# KiCad board ZakladniElektronika.kicad_pcb (continued)
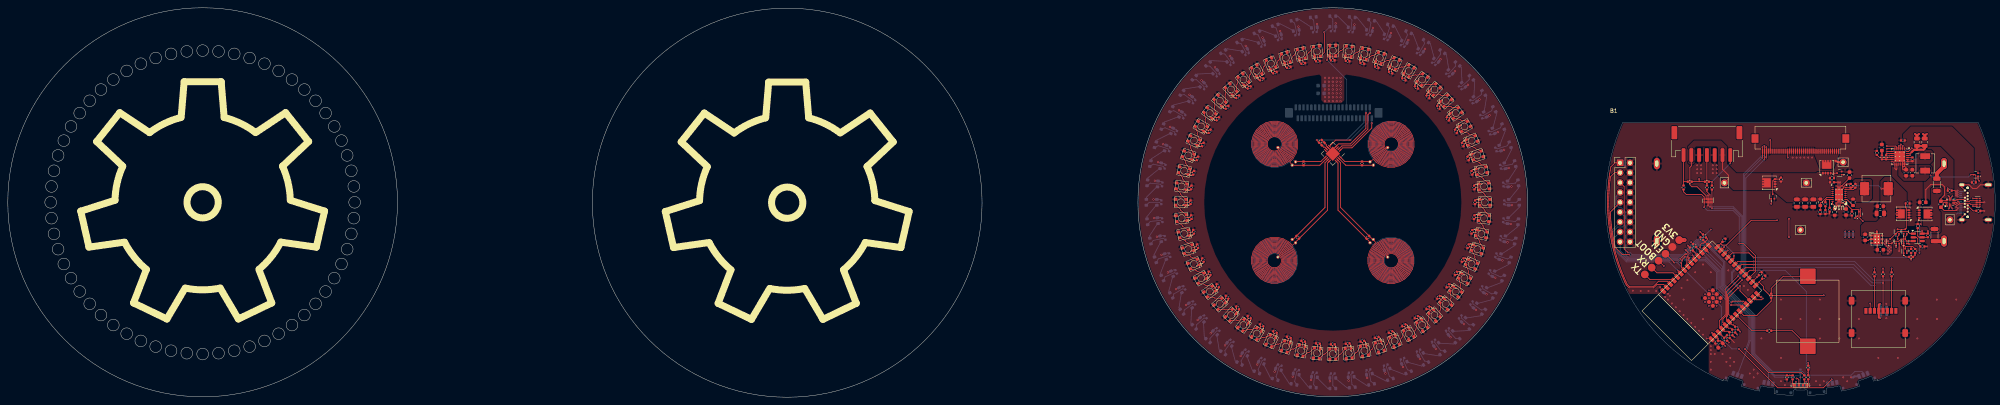
[diagram p0: board, top side]
## Library data of the parts
BZ1 = -: LCSC: C201041; ki_fp_filters: *Buzzer*
C1 C2 C134 C152 = -: Basic/Extended: B; LCSC: C96446; info: 25V, X5R; ki_fp_filters: C_*
C3 C132 C133 C149 = -: Basic/Extended: E; JLCPCB_CORRECTION: 0;0;0; LCSC: C1518208; info: 50V, X5R (potenciálně C52923 což je 25V, X5R ); ki_fp_filters: C_*
C4 C12-C131 C135 C148 = -: Basic/Extended: B; LCSC: C307331; info: 50V, X7R; ki_fp_filters: C_*
C5 = -: LCSC: C52923; JLCPCB_CORRECTION: 0;0;0; Basic/Extended: B; info: 25V, X5R; Price (100ks): 0.0029; Price (1ks): 0.0029; ki_fp_filters: C_*
C6 = -: LCSC: C82219; Basic/Extended: E; info: 50V, X7R; Price (100ks): 0.0019; Price (1ks): 0.0019; ki_fp_filters: C_*
C7 = -: LCSC: C19666; Basic/Extended: B; info: 16V, X5R; Price (100ks): 0.0088; Price (1ks): 0.0088; ki_fp_filters: C_*
C8-C11 = -: Basic/Extended: B; LCSC: C1523; info: 50V, X7R; ki_fp_filters: C_*
C136 C137 = -: LCSC: C96446; JLCPCB_CORRECTION: 0;0;0; ki_fp_filters: C_*
C142 C154 = -: LCSC: C45783; info: 25V, X5R; Basic/Extended: B; ki_fp_filters: C_*
C143 = -: LCSC: C96446; Basic/Extended: B; info: 25V, X5R; ki_fp_filters: C_*
C144 = -: Basic/Extended: B; LCSC: C1525; info: 16V, X7R; Price (100ks): 0.0011; Price (1ks): 0.0011; ki_fp_filters: C_*
C145 C155 = -: Basic/Extended: B; LCSC: C19666; info: 16V, X5R; ki_fp_filters: C_*
C146 = -: LCSC: C307331; info: 50V, X7R; Basic/Extended: B; ki_fp_filters: C_*
C147 C151 = -: LCSC: C45783; Basic/Extended: B; info: 25V, X5R; Price (100ks): 0.0215; Price (1ks): 0.0215; ki_fp_filters: C_*
C150 = -: Basic/Extended: B; LCSC: C1622; info: 50V, X7R; ki_fp_filters: C_*
C153 C156 = -: Basic/Extended: B; LCSC: C45783; info: 25V, X5R; ki_fp_filters: C_*
C157 = -: Basic/Extended: B; LCSC: C15195; ki_fp_filters: C_*
C158 = -: LCSC: C1546; Basic/Extended: B; info: 50V, C0G; ki_fp_filters: C_*
C159-C161 = -: Basic/Extended: B; LCSC: C96446; info: 25V, X5R; Price (100ks): 0.0159; Price (1ks): 0.0159; ki_fp_filters: C_*
C162 = -: LCSC: C96446; Basic/Extended: B; info: 25V, X5R; Price (100ks): 0.0159; Price (1ks): 0.0159; ki_fp_filters: C_*
D1-D120 = -: Datasheet: https://cdn-shop.adafruit.com/datasheets/WS2812B.pdf; Basic/Extended: E; LCSC: C2890364; ki_fp_filters: LED*WS2812*PLCC*5.0x5.0mm*P3.2mm*
D122 = -: Basic/Extended: E; LCSC: C896182
D125 = -: Description: RGB LED, anode/red/green/blue; LCSC: C2843779; ki_fp_filters: LED* LED_SMD:* LED_THT:*
F1 F2 = -: Datasheet: https://datasheet.lcsc.com/lcsc/2305121423_BHFUSE-BSMD1206-300-6V_C883136.pdf; LCSC: C883136; Basic/Extended: E; info: 3A hold, 6A trip, 100A max, 6V, 4s, 0,05 Ohm max; ki_fp_filters: *polyfuse* *PTC*
J1 = -: Description: Generic connector, double row, 02x09, odd/even pin numbering scheme (row 1 odd numbers, row 2 even numbers), script generated (kicad-library-utils/schlib/autogen/connector/); ki_fp_filters: Connector*:*_2x??_*
J2 = -: Datasheet: https://www.usb.org/sites/default/files/documents/usb_type-c.zip; Basic/Extended: E; JLCPCB_CORRECTION: 0;-3.5;0; LCSC: C480368; ki_fp_filters: USB*C*Receptacle*
J4 = -: LCSC: C265453; info: další info viz: https://www.tme.eu/html/CZ/konektor-kabel-pl-spoj-jst/ramka_15955_CZ_pelny.html; Basic/Extended: E; ki_fp_filters: Connector*:*_1x??_*
J5 = -: Datasheet: http://katalog.we-online.de/em/datasheet/693072010801.pdf; LCSC: C91145; JLCPCB_CORRECTION: 0;-2;0; ki_fp_filters: microSD*
J7 = -: JLCPCB_IGNORE: ignore
J10 = -: Datasheet: https://datasheet.lcsc.com/lcsc/2212161930_JUSHUO-AFC11-S40ICC-00_C262313.pdf; Basic/Extended: E; JLCPCB_CORRECTION: 0;0;90; LCSC: C262313; ki_fp_filters: Connector*:*_1x??_*
J11 = -: Datasheet: https://datasheet.lcsc.com/lcsc/2109221430_XUNPU-FPC-05F-40PH20_C2856812.pdf; Basic/Extended: E; LCSC: C2856812; ki_fp_filters: Connector*:*_1x??_*
L1-L4 = -: JLCPCB_IGNORE: ignore; ki_fp_filters: Choke_* *Coil* Inductor_* L_*
L5 = -: LCSC: C2453293; Basic/Extended: E; ki_fp_filters: Choke_* *Coil* Inductor_* L_*
L6 = -: LCSC: C167200; Basic/Extended: E; Price (100ks): 0.0996; Price (1ks): 0.1133; ki_fp_filters: Choke_* *Coil* Inductor_* L_*
Q1 Q2 Q5 Q28 = -: Datasheet: https://wmsc.lcsc.com/wmsc/upload/file/pdf/v2/lcsc/2004141706_Jiangsu-Changjing-Electronics-Technology-Co---Ltd--2SK3541_C504051.pdf; Sim.Type: VDMOS; Sim.Pins: 1=D 2=G 3=S; LCSC: C2912553; Basic/Extended: E; JLCPCB_CORRECTION: 0;0;180; Price (100ks): 0.0260; Price (1ks): 0.0260
Q4 Q6-Q9 = -: Datasheet: https://wmsc.lcsc.com/wmsc/upload/file/pdf/v2/lcsc/2004141706_Jiangsu-Changjing-Electronics-Technology-Co---Ltd--2SK3541_C504051.pdf; Sim.Type: VDMOS; Sim.Pins: 1=D 2=G 3=S; LCSC: C2912553; Basic/Extended: E; JLCPCB_CORRECTION: 0;0;180; Price (100ks): 0.0261; Price (1ks): 0.0261
R1 R6-R10 R32 = -: Basic/Extended: B; JLCPCB_CORRECTION: 0;0;0; LCSC: C25744; ki_fp_filters: R_*
R2 R51 R79 = -: Basic/Extended: B; LCSC: C25744; Price (100ks): 0.0005; Price (1ks): 0.0005; ki_fp_filters: R_*
R3 R4 = -: Basic/Extended: B; LCSC: C25905; ki_fp_filters: R_*
R5 R28 = -: Basic/Extended: B; LCSC: C11702; ki_fp_filters: R_*
R11 = -: LCSC: C11702; Basic/Extended: B; ki_fp_filters: R_*
R12 R13 R16 R17 = -: LCSC: C25744; JLCPCB_CORRECTION: 0;0;0; Basic/Extended: B; ki_fp_filters: R_*
R14 R15 = -: LCSC: C25104; ki_fp_filters: R_*
R19 = -: LCSC: C2909321; ki_fp_filters: R_*
R20 = -: Basic/Extended: E; LCSC: C25796; Price (100ks): 0.0005; Price (1ks): 0.0005; ki_fp_filters: R_*
R21 R40 = -: Basic/Extended: B; LCSC: C25741; Price (100ks): 0.0005; Price (1ks): 0.0005; ki_fp_filters: R_*
R26 = -: Basic/Extended: B; LCSC: C25117; Price (100ks): 0.0005; Price (1ks): 0.0005; ki_fp_filters: R_*
R29 R30 R49 = -: LCSC: C25087; Basic/Extended: B; ki_fp_filters: R_*
R34 = -: LCSC: C4109; Basic/Extended: B; Price (100ks): 0.0005; Price (1ks): 0.0005; ki_fp_filters: R_*
R35 R36 R41 = -: LCSC: C25744; JLCPCB_CORRECTION: 0;0;0; ki_fp_filters: R_*
R37-R39 = -: Basic/Extended: B; LCSC: C25900; ki_fp_filters: R_*
R45 R48 = -: LCSC: C25900; Basic/Extended: B; ki_fp_filters: R_*
R47 = -: Basic/Extended: B; LCSC: C25764; ki_fp_filters: R_*
R50 = -: LCSC: C208810; Basic/Extended: E; Price (100ks): 0.0020; Price (1ks): 0.0020; ki_fp_filters: R_*
R52 = -: LCSC: C25087; Basic/Extended: B; Price (100ks): 0.0005; Price (1ks): 0.0005; ki_fp_filters: R_*
R53 = -: Basic/Extended: B; LCSC: C25764; Price (100ks): 0.0005; Price (1ks): 0.0005; ki_fp_filters: R_*
R54 R55 = -: LCSC: C22807; Basic/Extended: B; ki_fp_filters: R_*
R56 = -: LCSC: C843949; Basic/Extended: E; ki_fp_filters: R_*
R57 = -: LCSC: C23206; Basic/Extended: B; ki_fp_filters: R_*
R58 = -: LCSC: C226818; Basic/Extended: E; ki_fp_filters: R_*
SW1-SW5 = -: Basic/Extended: E; LCSC: C495937
TP1 TP8-TP11 = -: JLCPCB_IGNORE: ignore; ki_fp_filters: Pin* Test*
U1 = -: Datasheet: http://www.ti.com/lit/ds/symlink/ldc1312.pdf; Basic/Extended: E; LCSC: C968448
U2 = -: Datasheet: https://wmsc.lcsc.com/wmsc/upload/file/pdf/v2/lcsc/1810181816_BL-Shanghai-Belling-BL1530TQFN_C313543.pdf; LCSC: C313543; Price (100ks): 0.1148; Price (1ks): 0.1445; Basic/Extended: E; JLCPCB_CORRECTION: 0;0;-90
U3 = -: Datasheet: https://wmsc.lcsc.com/wmsc/upload/file/pdf/v2/lcsc/2001181534_Texas-Instruments-BQ25895MRTWR_C485917.pdf; LCSC: C80200; Price (100ks): 0.8670; Price (1ks): 1.7400; Basic/Extended: E; ki_fp_filters: Texas*RTW*EP2.7x2.7mm*
U5 U13 = -: Datasheet: http://www.ti.com/lit/ds/symlink/tpd4e02b04.pdf; Basic/Extended: E; JLCPCB_CORRECTION: 0;0;-90; LCSC: C106794
U7-U9 U15 = -: Datasheet: https://jlcpcb.com/api/file/downloadByFileSystemAccessId/8588900305022406656; LCSC: C148391
U10 = -: Datasheet: https://datasheet.lcsc.com/szlcsc/ON-Semicon-ON-NCP708MU330TAG_C183178.pdf; Basic/Extended: E; JLCPCB_CORRECTION: 0;0;180; LCSC: C183178
U11 = -: Datasheet: https://www.espressif.com/sites/default/files/documentation/esp32-s3-wroom-1_wroom-1u_datasheet_en.pdf; Basic/Extended: E; JLCPCB_CORRECTION: 0;8.89;0; LCSC: C2913202; info: ESP32-S3-WROOM-1-N16R8
U12 = -: Datasheet: https://wmsc.lcsc.com/wmsc/upload/file/pdf/v2/lcsc/2210101800_Slkor-SLKORMICRO-Elec--SL8261D-G3JE_C5186027.pdf; LCSC: C5186027; JLCPCB_CORRECTION: 0;0;180; Basic/Extended: E; Price (100ks): 0.0011; Price (1ks): 0.0011
U14 = -: Datasheet: https://wmsc.lcsc.com/wmsc/upload/file/pdf/v2/lcsc/2306250925_MYOUNG-BH-18650-B1BA007_C6937126.pdf; LCSC: C6937126
U16 = -: Datasheet: https://www.ti.com/lit/ds/symlink/tps61088.pdf?ts=1690626232362&ref_url=https%253A%252F%252Fwww.ti.com%252Fpower-management%252Fnon-isolated-dc-dc-switching-regulators%252Fstep-up-boost%252Fboost-converters-integrated-switch%252Fproducts.html; LCSC: C87357; Basic/Extended: E; JLCPCB_CORRECTION: 0;0;-90; ki_fp_filters: RHL0020A

## Footprints (pads in the part's own frame, mm; a bottom-side part is the same pattern mirrored in y, then rotated)
3528RGBW-WS2812B
  rrect 0.9x0.75 smd: 1(1.35,-0.75) 2(1.35,0.75) 3(-1.35,0.75) 4(-1.35,-0.75)
3528RGBW-WS2812B#2
  rrect 0.9x0.75 smd: 1(1.35,-0.75) 2(1.35,0.75) 3(-1.35,0.75) 4(-1.35,-0.75)
3528RGBW-WS2812B#3
  rrect 0.9x0.75 smd: 1(1.35,-0.75) 2(1.35,0.75) 3(-1.35,0.75) 4(-1.35,-0.75)
3528RGBW-WS2812B#4
  rrect 0.9x0.75 smd: 1(1.35,-0.75) 2(1.35,0.75) 3(-1.35,0.75) 4(-1.35,-0.75)
3528RGBW-WS2812B#5
  rrect 0.9x0.75 smd: 1(1.35,-0.75) 2(1.35,0.75) 3(-1.35,0.75) 4(-1.35,-0.75)
AFC11-S40ICC-00
  rect 2.4x2 smd: 0(0,-11.75) 0(0,11.25)
  rect 1.5x0.6 smd: 1(-1.4,9.5) 2(1.4,9) 3(-1.4,8.5) 4(1.4,8) 5(-1.4,7.5) 6(1.4,7) 7(-1.4,6.5) 8(1.4,6) 9(-1.4,5.5) 10(1.4,5) 11(-1.4,4.5) 12(1.4,4) 13(-1.4,3.5) 14(1.4,3) 15(-1.4,2.5) 16(1.4,2) 17(-1.4,1.5) 18(1.4,1) 19(-1.4,0.5) 20(1.4,0) 21(-1.4,-0.5) 22(1.4,-1) 23(-1.4,-1.5) 24(1.4,-2) 25(-1.4,-2.5) 26(1.4,-3) 27(-1.4,-3.5) 28(1.4,-4) 29(-1.4,-4.5) 30(1.4,-5) 31(-1.4,-5.5) 32(1.4,-6) 33(-1.4,-6.5) 34(1.4,-7) 35(-1.4,-7.5) 36(1.4,-8) 37(-1.4,-8.5) 38(1.4,-9) 39(-1.4,-9.5) 40(1.4,-10)
battery_dock
  oval 1.524x2.9 hole 0.762x1.6: 1(36.85,9.95) 2(-36.85,9.95) 3(36.85,-9.95) 4(-36.85,-9.95)
C_0402_1005Metric
  rrect 0.56x0.62 smd: 1(-0.48,0) 2(0.48,0)
C_0603_1608Metric
  rrect 0.9x0.95 smd: 1(-0.775,0) 2(0.775,0)
C_0805_2012Metric
  rrect 1x1.45 smd: 1(-0.95,0) 2(0.95,0)
Diodes_PowerDI3333-8
  rrect 0.6x1 smd: (0.02,0.565) (0.02,-0.565) (0.73,0.565) (0.73,-0.565)
  rrect 0.7x0.42 smd: (1.5,0.975) (1.5,0.325) (1.5,-0.325) (1.5,-0.975) 1(-1.5,0.975) 2(-1.5,0.325) 3(-1.5,-0.325) 4(-1.5,-0.975)
  custom 2.25x2.37 smd: 5(0.455,0)
ELKS-PIEZO
  rrect 4x4 smd: 1(9,0) 2(-9,0)
ESP32-S3-WROOM
  rrect 1.5x0.9 smd: 1(-8.75,0) 2(-8.75,-1.27) 3(-8.75,-2.54) 4(-8.75,-3.81) 5(-8.75,-5.08) 6(-8.75,-6.35) 7(-8.75,-7.62) 8(-8.75,-8.89) 9(-8.75,-10.16) 10(-8.75,-11.43) 11(-8.75,-12.7) 12(-8.75,-13.97) 13(-8.75,-15.24) 14(-8.75,-16.51) 27(8.75,-16.51) 28(8.75,-15.24) 29(8.75,-13.97) 30(8.75,-12.7) 31(8.75,-11.43) 32(8.75,-10.16) 33(8.75,-8.89) 34(8.75,-7.62) 35(8.75,-6.35) 36(8.75,-5.08) 37(8.75,-3.81) 38(8.75,-2.54) 39(8.75,-1.27) 40(8.75,0)
  rrect 0.9x1.5 smd: 15(-6.985,-17.74) 16(-5.715,-17.74) 17(-4.445,-17.78) 18(-3.175,-17.78) 19(-1.905,-17.78) 20(-0.635,-17.78) 21(0.635,-17.78) 22(1.905,-17.78) 23(3.175,-17.78) 24(4.445,-17.78) 25(5.715,-17.78) 26(6.985,-17.78)
  rrect 0.9x0.9 smd: 41(-2.9,-6.3) 41(-2.9,-7.7) 41(-2.9,-9.1) 41(-1.5,-6.3) 41(-1.5,-7.7) 41(-1.5,-9.1) 41(-0.1,-6.3) 41(-0.1,-7.7) 41(-0.1,-9.1)
ESP-Programing_conector
  round 2 smd: 1(0,0) 2(2.5,0) 3(5,0) 4(7.5,0) 5(10,0) 6(12.5,0)
Hirose_FH12-40S-0.5SH_1x40-1MP_P0.50mm_Horizontal
  rect 0.3x1.3 smd: 1(-9.75,1.85) 2(-9.25,1.85) 3(-8.75,1.85) 4(-8.25,1.85) 5(-7.75,1.85) 6(-7.25,1.85) 7(-6.75,1.85) 8(-6.25,1.85) 9(-5.75,1.85) 10(-5.25,1.85) 11(-4.75,1.85) 12(-4.25,1.85) 13(-3.75,1.85) 14(-3.25,1.85) 15(-2.75,1.85) 16(-2.25,1.85) 17(-1.75,1.85) 18(-1.25,1.85) 19(-0.75,1.85) 20(-0.25,1.85) 21(0.25,1.85) 22(0.75,1.85) 23(1.25,1.85) 24(1.75,1.85) 25(2.25,1.85) 26(2.75,1.85) 27(3.25,1.85) 28(3.75,1.85) 29(4.25,1.85) 30(4.75,1.85) 31(5.25,1.85) 32(5.75,1.85) 33(6.25,1.85) 34(6.75,1.85) 35(7.25,1.85) 36(7.75,1.85) 37(8.25,1.85) 38(8.75,1.85) 39(9.25,1.85) 40(9.75,1.85)
  rect 1.8x2.2 smd: MP(-11.65,-1.4) MP(11.65,-1.4)
JST_PH_S7B-PH-SM4-TB_1x07-1MP_P2.00mm_Horizontal
  rrect 1x3.5 smd: 1(-6,2.85) 2(-4,2.85) 3(-2,2.85) 4(0,2.85) 5(2,2.85) 6(4,2.85) 7(6,2.85)
  rrect 1.5x3.4 smd: MP(-8.35,-2.9) MP(8.35,-2.9)
L_1206_3216Metric
  rrect 1.05x1.9 smd: 1(-1.575,0) 2(1.575,0)
L_Abracon_ASPI-0630LR
  rrect 2.35x3.4 smd: 1(-3.025,0) 2(3.025,0)
L_Sunlord_MWSA0402S
  rect 1.5x2.5 smd: 1(-1.85,0) 2(1.85,0)
microSD_HC_Molex_47219-2001
  rect 0.8x1.5 smd: 1(-3.205,2.1) 2(-2.105,2.1) 3(-1.005,2.1) 4(0.095,2.1) 5(1.195,2.1) 6(2.295,2.1) 7(3.395,2.1) 8(4.495,2.1)
  rrect 1.45x2 smd: 9(-6.875,4.7) 9(-6.875,-3.6) 9(6.875,4.7) 9(6.875,-3.6)
PCB_coil
  round 0.8 hole 0.4: 1(-7.1,0.6) 2(-7.1,-0.6) -1(-1.3,0)
Pin_D0.9mm_L10.0mm_W2.4mm_FlatFork
  round 1.8 hole 0.9: 1(0,0)
PinHeader_2x09_P2.54mm_Vertical
  rect 1.7x1.7 hole 1: 1(0,0)
  round 1.7 hole 1: 2(2.54,0) 3(0,-2.54) 4(2.54,-2.54) 5(0,-5.08) 6(2.54,-5.08) 7(0,-7.62) 8(2.54,-7.62) 9(0,-10.16) 10(2.54,-10.16) 11(0,-12.7) 12(2.54,-12.7) 13(0,-15.24) 14(2.54,-15.24) 15(0,-17.78) 16(2.54,-17.78) 17(0,-20.32) 18(2.54,-20.32)
R_0402_1005Metric
  rrect 0.54x0.64 smd: 1(-0.51,0) 2(0.51,0)
R_0603_1608Metric
  rrect 0.8x0.95 smd: 1(-0.825,0) 2(0.825,0)
RHL0020A
  round 0.5 hole 0.203: 0(-0.775,1.275) 0(-0.775,0) 0(-0.775,-1.275) 0(0,1.275) 0(0,0) 0(0,-1.275) 0(0.775,1.275) 0(0.775,0) 0(0.775,-1.275)
  rrect 0.23x0.75 smd: 0(-0.275,1.875) 0(-0.275,-1.875) 0(0.275,1.875) 0(0.275,-1.875)
  rect 0.32x0.5 smd: 0(0,1.675) 0(0,-1.675)
  rrect 2.05x3.05 smd: 0(0,0)
  oval 0.24x0.6 smd: 1(-0.75,2.15) 10(-0.75,-2.15) 11(0.75,-2.15) 20(0.75,2.15)
  oval 0.6x0.24 smd: 2(-1.65,1.75) 3(-1.65,1.25) 4(-1.65,0.75) 5(-1.65,0.25) 6(-1.65,-0.25) 7(-1.65,-0.75) 8(-1.65,-1.25) 9(-1.65,-1.75) 12(1.65,-1.75) 13(1.65,-1.25) 14(1.65,-0.75) 15(1.65,-0.25) 16(1.65,0.25) 17(1.65,0.75) 18(1.65,1.25) 19(1.65,1.75)
  rect 0.3x0.3 smd: 21(0,0)
SOT-23-6
  rrect 1.325x0.6 smd: 1(-1.137,0.95) 2(-1.137,0) 3(-1.137,-0.95) 4(1.137,-0.95) 5(1.137,0) 6(1.137,0.95)
SOT-723
  rrect 0.45x0.4 smd: 1(-0.575,0.4) 2(-0.575,-0.4) 3(0.575,0)
TCF2QR
  rrect 0.65x0.7 smd: 0(-2.475,0.65) 0(2.475,0.65)
  rrect 0.8x1.25 smd: 1(-1.15,2.4) 1(1.15,2.4) 2(0,2.4)
Texas_RTW_WQFN-24-1EP_4x4mm_P0.5mm_EP2.7x2.7mm_ThermalVias
  rrect 1.13x1.13 smd: (-0.675,0.675) (-0.675,-0.675) (0.675,0.675) (0.675,-0.675)
  rrect 0.825x0.25 smd: 1(-1.962,1.25) 2(-1.962,0.75) 3(-1.962,0.25) 4(-1.962,-0.25) 5(-1.962,-0.75) 6(-1.962,-1.25) 13(1.962,-1.25) 14(1.962,-0.75) 15(1.962,-0.25) 16(1.962,0.25) 17(1.962,0.75) 18(1.962,1.25)
  rrect 0.25x0.825 smd: 7(-1.25,-1.962) 8(-0.75,-1.962) 9(-0.25,-1.962) 10(0.25,-1.962) 11(0.75,-1.962) 12(1.25,-1.962) 19(1.25,1.962) 20(0.75,1.962) 21(0.25,1.962) 22(-0.25,1.962) 23(-0.75,1.962) 24(-1.25,1.962)
  round 0.5 hole 0.2: 25(-1.1,1.1) 25(-1.1,0) 25(-1.1,-1.1) 25(0,1.1) 25(0,0) 25(0,-1.1) 25(1.1,1.1) 25(1.1,0) 25(1.1,-1.1)
  rect 2.7x2.7 smd: 25(0,0)
  rect 2.7x2.7 smd far side: 25(0,0)
UDFN6-3x3mm
  rect 0.45x0.6 smd: 1(0.95,1.35) 2(0,1.35) 3(-0.95,1.35) 4(-0.95,-1.35) 5(0,-1.35) 6(0.95,-1.35)
  round 0.6 hole 0.3: 7(-0.8,0.4) 7(-0.8,-0.4) 7(0,0.4) 7(0,-0.4) 7(0.8,0.4) 7(0.8,-0.4)
  rect 2.6x1.78 smd: 7(0,0)
UQFN-10_1.4x1.8mm_P0.4mm
  rrect 0.975x0.2 smd: 1(-0.562,0.2)
  rrect 0.775x0.2 smd: 2(-0.662,-0.2) 6(0.662,-0.2) 7(0.662,0.2)
  rrect 0.2x0.775 smd: 3(-0.4,-0.863) 4(0,-0.863) 5(0.4,-0.863) 8(0.4,0.863) 9(0,0.863) 10(-0.4,0.863)
USB31-TYPEC-33141-2FS
  round 0.65 hole 0.65 unplated: (-3.725,-1.81) (3.725,-1.81)
  rect 0.3x0.7 smd: A1(-2.75,0) A2(-2.25,0) A3(-1.75,0) A4(-1.25,0) A5(-0.75,0) A6(-0.25,0) A7(0.25,0) A8(0.75,0) A9(1.25,0) A10(1.75,0) A11(2.25,0) A12(2.75,0)
  round 0.65 hole 0.4: B1(3.05,-1.11) B2(2.4,-1.81) B3(1.6,-1.81) B4(1.2,-1.11) B5(0.8,-1.81) B6(0.4,-1.11) B7(-0.4,-1.11) B8(-0.8,-1.81) B9(-1.2,-1.11) B10(-1.6,-1.81) B11(-2.4,-1.81) B12(-3.05,-1.11)
  oval 1x2 hole 0.6x1.5: S1(-4.5,-7.11) S1(4.5,-7.11)
  oval 1x1.6 hole 0.6x1.2: S1(-4.5,-0.31) S1(4.5,-0.31)
USON-10_2.5x1.0mm_P0.5mm
  rect 0.55x0.3 smd: 1(-0.385,1) 2(-0.385,0.5) 4(-0.385,-0.5) 5(-0.385,-1) 6(0.385,-1) 7(0.385,-0.5) 9(0.385,0.5) 10(0.385,1)
  rect 0.55x0.4 smd: 3(-0.385,0) 8(0.385,0)
WQFN-16-1EP_4x4mm_P0.5mm_EP2.6x2.6mm
  rrect 1.05x1.05 smd: (-0.65,0.65) (-0.65,-0.65) (0.65,0.65) (0.65,-0.65)
  rrect 0.875x0.25 smd: 1(-1.937,0.75) 2(-1.938,0.25) 3(-1.938,-0.25) 4(-1.937,-0.75) 9(1.937,-0.75) 10(1.938,-0.25) 11(1.938,0.25) 12(1.937,0.75)
  rrect 0.25x0.875 smd: 5(-0.75,-1.937) 6(-0.25,-1.938) 7(0.25,-1.938) 8(0.75,-1.937) 13(0.75,1.937) 14(0.25,1.938) 15(-0.25,1.938) 16(-0.75,1.937)
  rect 2.6x2.6 smd: 17(0,0)
XL-3806RGBC-4L
  rrect 0.6x0.7 smd: 1(-0.387,0)
  rrect 0.9x0.7 smd: 2(-1.607,0) 4(1.703,0)
  rrect 0.5x0.7 smd: 3(0.623,0)

## Nets
/HlavniDeska/3V3: C134.2 C135.2 C136.1 C137.1 C152.1 D125.1 J5.4 J7.1 J11.36 R9.1 R10.1 R16.1 R17.1 R35.1 R36.1 R37.1 R38.1 R39.1 R41.1 R45.2 R48.2 R50.2 R51.1 U10.4 U10.5 U11.2
/HlavniDeska/5V-OUT: J11.1 J11.2 J11.3 J11.4 J11.5 J11.6 J11.7 J11.8 J11.9 J11.10 J11.11 J11.12 J11.13 TP10.1 U15.5
/HlavniDeska/ModulovyKonektor/5V: J4.2 J4.6 TP11.1 U5.4 U9.5
/HlavniDeska/SpravceNapajeni/5V-IN: C149.1 C153.1 C154.1 C156.1 R1.1 R32.1 R57.1 TP9.1 U9.1 U9.2 U9.3 U15.1 U15.2 U15.3 U16.14 U16.15 U16.16
/HlavniDeska/SpravceNapajeni/Power multiplier/VCC: C142.1 C143.1 C145.1 C146.1 L5.1 U8.5 U10.1 U10.6 U16.9
/LedDeska/3V3: C3.1 C4.1 J10.36 U1.7
/LedDeska/5V: C1.1 C2.1 C12.1 C13.1 C14.1 C15.1 C16.1 C17.1 C18.1 C19.1 C20.1 C21.1 C22.1 C23.1 C24.1 C25.1 C26.1 C27.1 C28.1 C29.1 C30.1 C31.1 C32.1 C33.1 C34.1 C35.1 C36.1 C37.1 C38.1 C39.1 C40.1 C41.1 C42.1 C43.1 C44.1 C45.1 C46.1 C47.1 C48.1 C49.1 C50.1 C51.1 C52.1 C53.1 C54.1 C55.1 C56.1 C57.1 C58.1 C59.1 C60.1 C61.1 C62.1 C63.1 C64.1 C65.1 C66.1 C67.1 C68.1 C69.1 C70.1 C71.1 C72.1 C73.1 C74.1 C75.1 C76.1 C77.1 C78.1 C79.1 C80.1 C81.1 C82.1 C83.1 C84.1 C85.1 C86.1 C87.1 C88.1 C89.1 C90.1 C91.1 C92.1 C93.1 C94.1 C95.1 C96.1 C97.1 C98.1 C99.1 C100.1 C101.1 C102.1 C103.1 C104.1 C105.1 C106.1 C107.1 C108.1 C109.1 C110.1 C111.1 C112.1 C113.1 C114.1 C115.1 C116.1 C117.1 C118.1 C119.1 C120.1 C121.1 C122.1 C123.1 C124.1 C125.1 C126.1 C127.1 C128.1 C129.1 C130.1 C131.1 D1.1 D2.1 D3.1 D4.1 D5.1 D6.1 D7.1 D8.1 D9.1 D10.1 D11.1 D12.1 D13.1 D14.1 D15.1 D16.1 D17.1 D18.1 D19.1 D20.1 D21.1 D22.1 D23.1 D24.1 D25.1 D26.1 D27.1 D28.1 D29.1 D30.1 D31.1 D32.1 D33.1 D34.1 D35.1 D36.1 D37.1 D38.1 D39.1 D40.1 D41.1 D42.1 D43.1 D44.1 D45.1 D46.1 D47.1 D48.1 D49.1 D50.1 D51.1 D52.1 D53.1 D54.1 D55.1 D56.1 D57.1 D58.1 D59.1 D60.1 D61.1 D62.1 D63.1 D64.1 D65.1 D66.1 D67.1 D68.1 D69.1 D70.1 D71.1 D72.1 D73.1 D74.1 D75.1 D76.1 D77.1 D78.1 D79.1 D80.1 D81.1 D82.1 D83.1 D84.1 D85.1 D86.1 D87.1 D88.1 D89.1 D90.1 D91.1 D92.1 D93.1 D94.1 D95.1 D96.1 D97.1 D98.1 D99.1 D100.1 D101.1 D102.1 D103.1 D104.1 D105.1 D106.1 D107.1 D108.1 D109.1 D110.1 D111.1 D112.1 D113.1 D114.1 D115.1 D116.1 D117.1 D118.1 D119.1 D120.1 J10.1 J10.2 J10.3 J10.4 J10.5 J10.6 J10.7 J10.8 J10.9 J10.10 J10.11 J10.12 J10.13
GND: C5.2 C7.2 C132.2 C133.2 C134.1 C135.1 C136.2 C137.2 C142.2 C143.2 C144.2 C145.2 C146.2 C147.2 C149.2 C150.2 C151.2 C152.2 C153.2 C154.2 C155.2 C156.2 C157.2 C158.2 C159.2 C160.2 C161.2 C162.2 J1.2 J1.4 J1.6 J1.8 J1.10 J1.12 J1.14 J1.16 J1.18 J2.A1 J2.A12 J2.B1 J2.B12 J2.S1 J4.3 J4.5 J5.6 J5.9 J7.2 J11.14 J11.15 J11.16 J11.17 J11.18 J11.19 J11.20 J11.21 J11.22 J11.23 J11.24 J11.25 J11.26 J11.37 Q1.2 Q2.2 Q7.2 Q8.2 Q9.2 Q28.2 R3.2 R4.2 R6.2 R7.2 R8.2 R12.2 R19.2 R21.1 R34.1 R47.1 R55.2 R58.1 R79.2 SW1.1 SW2.1 SW4.1 SW5.1 U2.4 U2.8 U3.8 U3.17 U3.18 U3.25 U5.3 U5.8 U7.4 U10.2 U10.7 U11.1 U11.40 U11.41 U12.6 U13.3 U13.8 U14.2 U14.4 U16.0 U16.20 U16.21
/HlavniDeska/ESP32S3/BOOT: C132.1 J7.4 R9.2 SW4.2 U11.27
/HlavniDeska/ESP32S3/EN: C133.1 J7.3 R10.2 SW5.2 U11.3
/HlavniDeska/ESP32S3/IO01: J1.1 U11.39
/HlavniDeska/ESP32S3/IO02: J1.3 U11.38
/HlavniDeska/ESP32S3/IO03-PD: J5.2 R8.1 U11.15
/HlavniDeska/ESP32S3/IO07: R29.2 U5.1 U5.10 U11.7
/HlavniDeska/ESP32S3/IO08: R30.2 U5.2 U5.9 U11.12
/HlavniDeska/ESP32S3/IO09: R49.2 U5.5 U5.6 U11.17
/HlavniDeska/ESP32S3/IO10: R13.2 R28.2 U11.18
/HlavniDeska/ESP32S3/IO11: J5.3 R41.2 U11.19
/HlavniDeska/ESP32S3/IO12: J5.5 R36.2 U11.20
/HlavniDeska/ESP32S3/IO13: J5.7 R35.2 U11.21
/HlavniDeska/ESP32S3/IO14: J1.5 U11.22
/HlavniDeska/ESP32S3/IO15: R14.1 U11.8
/HlavniDeska/ESP32S3/IO16: R15.1 U11.9
/HlavniDeska/ESP32S3/IO17: J1.7 U11.10
/HlavniDeska/ESP32S3/IO18: J1.9 U11.11
/HlavniDeska/ESP32S3/IO21: R52.2 U11.23
/HlavniDeska/ESP32S3/IO35: Q28.1 R79.1 SW3.2 U11.28
/HlavniDeska/ESP32S3/IO36: R16.2 SW1.2 U11.29
/HlavniDeska/ESP32S3/IO37: R17.2 SW2.2 U11.30
/HlavniDeska/ESP32S3/IO38: R11.2 R12.1 U11.31
/HlavniDeska/ESP32S3/IO39: R5.2 U11.32
/HlavniDeska/ESP32S3/IO41: J1.11 U11.34
/HlavniDeska/ESP32S3/IO42: J1.13 U11.35
/HlavniDeska/ESP32S3/IO45-PD: D122.2 Q2.1 R7.1 U11.26
/HlavniDeska/ESP32S3/IO46-PD: D122.1 Q1.1 R6.1 U11.16
/HlavniDeska/ESP32S3/IO47: J1.15 U11.24
/HlavniDeska/ESP32S3/IO48: J1.17 U11.25
/HlavniDeska/ESP32S3/RX_ESP: J7.5 U11.36
/HlavniDeska/ESP32S3/TX_ESP: J7.6 U11.37
/HlavniDeska/ESP.D+: U2.2 U11.14
/HlavniDeska/ESP.D-: U2.6 U11.13
/HlavniDeska/INT: J11.38 R38.2 U3.7 U11.4
/HlavniDeska/IO40: J11.27 U11.33
/HlavniDeska/Nabijecka.D+: U2.1 U3.2
/HlavniDeska/Nabijecka.D-: U2.7 U3.3
/HlavniDeska/SCL: J11.40 R37.2 U3.5 U11.5
/HlavniDeska/SDA: J11.39 R39.2 U3.6 U11.6
/HlavniDeska/SpravceNapajeni/CHARGER_STAT: R13.1 U3.4
/HlavniDeska/SpravceNapajeni/Charging/BATT: C159.1 R26.1 R40.1 SW3.1 U3.13 U3.14 U7.1 U7.2 U7.3 U8.1 U8.2 U8.3
/HlavniDeska/SpravceNapajeni/Charging/CE: Q9.3 R53.2 U3.9
/HlavniDeska/SpravceNapajeni/Charging/SW: C6.1 L6.1 U3.19 U3.20
/HlavniDeska/SpravceNapajeni/Charging/SYS: C160.1 C161.1 L6.2 U3.15 U3.16
/HlavniDeska/SpravceNapajeni/Power multiplier/EN-5V: D122.3 R47.2 TP8.1 U16.2
/HlavniDeska/SpravceNapajeni/USB_SEL: R2.2 U2.10 U3.24
/HlavniDeska/USB/D+: J2.A6 J2.B6 U2.3 U13.4
/HlavniDeska/USB/D-: J2.A7 J2.B7 U2.5 U13.2
/HlavniDeska/USB/USB_CC1: J2.A5 R4.1
/HlavniDeska/USB/USB_CC2: J2.B5 R3.1
/HlavniDeska/USB/V_USB: C5.1 C162.1 J2.A4 J2.A9 J2.B4 J2.B9 R2.1 R53.1 TP1.1 U2.9 U3.1 U13.1 U13.5
/LedDeska/AN-GND: C3.2 C4.2 J10.37 U1.3 U1.4 U1.6 U1.8 U1.17
/LedDeska/INT-LDC: J10.38 U1.5
/LedDeska/LED-GND: C1.2 C2.2 C12.2 C13.2 C14.2 C15.2 C16.2 C17.2 C18.2 C19.2 C20.2 C21.2 C22.2 C23.2 C24.2 C25.2 C26.2 C27.2 C28.2 C29.2 C30.2 C31.2 C32.2 C33.2 C34.2 C35.2 C36.2 C37.2 C38.2 C39.2 C40.2 C41.2 C42.2 C43.2 C44.2 C45.2 C46.2 C47.2 C48.2 C49.2 C50.2 C51.2 C52.2 C53.2 C54.2 C55.2 C56.2 C57.2 C58.2 C59.2 C60.2 C61.2 C62.2 C63.2 C64.2 C65.2 C66.2 C67.2 C68.2 C69.2 C70.2 C71.2 C72.2 C73.2 C74.2 C75.2 C76.2 C77.2 C78.2 C79.2 C80.2 C81.2 C82.2 C83.2 C84.2 C85.2 C86.2 C87.2 C88.2 C89.2 C90.2 C91.2 C92.2 C93.2 C94.2 C95.2 C96.2 C97.2 C98.2 C99.2 C100.2 C101.2 C102.2 C103.2 C104.2 C105.2 C106.2 C107.2 C108.2 C109.2 C110.2 C111.2 C112.2 C113.2 C114.2 C115.2 C116.2 C117.2 C118.2 C119.2 C120.2 C121.2 C122.2 C123.2 C124.2 C125.2 C126.2 C127.2 C128.2 C129.2 C130.2 C131.2 D1.3 D2.3 D3.3 D4.3 D5.3 D6.3 D7.3 D8.3 D9.3 D10.3 D11.3 D12.3 D13.3 D14.3 D15.3 D16.3 D17.3 D18.3 D19.3 D20.3 D21.3 D22.3 D23.3 D24.3 D25.3 D26.3 D27.3 D28.3 D29.3 D30.3 D31.3 D32.3 D33.3 D34.3 D35.3 D36.3 D37.3 D38.3 D39.3 D40.3 D41.3 D42.3 D43.3 D44.3 D45.3 D46.3 D47.3 D48.3 D49.3 D50.3 D51.3 D52.3 D53.3 D54.3 D55.3 D56.3 D57.3 D58.3 D59.3 D60.3 D61.3 D62.3 D63.3 D64.3 D65.3 D66.3 D67.3 D68.3 D69.3 D70.3 D71.3 D72.3 D73.3 D74.3 D75.3 D76.3 D77.3 D78.3 D79.3 D80.3 D81.3 D82.3 D83.3 D84.3 D85.3 D86.3 D87.3 D88.3 D89.3 D90.3 D91.3 D92.3 D93.3 D94.3 D95.3 D96.3 D97.3 D98.3 D99.3 D100.3 D101.3 D102.3 D103.3 D104.3 D105.3 D106.3 D107.3 D108.3 D109.3 D110.3 D111.3 D112.3 D113.3 D114.3 D115.3 D116.3 D117.3 D118.3 D119.3 D120.3 J10.14 J10.15 J10.16 J10.17 J10.18 J10.19 J10.20 J10.21 J10.22 J10.23 J10.24 J10.25 J10.26
/LedDeska/LedRing-Axial1/DOUT: D120.2
/LedDeska/LedRing-Axial/DOUT: D60.2 D61.4
/LedDeska/SCL: J10.40 U1.1
/LedDeska/SDA: J10.39 U1.2
/LedDeska/WS2812: D1.4 J10.27
SW: C148.1 L5.2 R54.1 U16.4 U16.5 U16.6 U16.7
Net-(BZ1-+): BZ1.2 R15.2
Net-(BZ1--): BZ1.1 R14.2
Net-(C157-Pad1): C157.1 R56.2
Net-(D1-DOUT): D1.2 D2.4
Net-(D2-DOUT): D2.2 D3.4
Net-(D3-DOUT): D3.2 D4.4
Net-(D4-DOUT): D4.2 D5.4
Net-(D5-DOUT): D5.2 D6.4
Net-(D6-DOUT): D6.2 D7.4
Net-(D7-DOUT): D7.2 D8.4
Net-(D8-DOUT): D8.2 D9.4
Net-(D10-DIN): D9.2 D10.4
Net-(D10-DOUT): D10.2 D11.4
Net-(D11-DOUT): D11.2 D12.4
Net-(D12-DOUT): D12.2 D13.4
Net-(D13-DOUT): D13.2 D14.4
Net-(D14-DOUT): D14.2 D15.4
Net-(D15-DOUT): D15.2 D16.4
Net-(D16-DOUT): D16.2 D17.4
Net-(D17-DOUT): D17.2 D18.4
Net-(D18-DOUT): D18.2 D19.4
Net-(D19-DOUT): D19.2 D20.4
Net-(D20-DOUT): D20.2 D21.4
Net-(D21-DOUT): D21.2 D22.4
Net-(D22-DOUT): D22.2 D23.4
Net-(D23-DOUT): D23.2 D24.4
Net-(D24-DOUT): D24.2 D25.4
Net-(D25-DOUT): D25.2 D26.4
Net-(D26-DOUT): D26.2 D27.4
Net-(D27-DOUT): D27.2 D28.4
Net-(D28-DOUT): D28.2 D29.4
Net-(D29-DOUT): D29.2 D30.4
Net-(D30-DOUT): D30.2 D31.4
Net-(D31-DOUT): D31.2 D32.4
Net-(D32-DOUT): D32.2 D33.4
Net-(D33-DOUT): D33.2 D34.4
Net-(D34-DOUT): D34.2 D35.4
Net-(D35-DOUT): D35.2 D36.4
Net-(D36-DOUT): D36.2 D37.4
Net-(D37-DOUT): D37.2 D38.4
Net-(D38-DOUT): D38.2 D39.4
Net-(D39-DOUT): D39.2 D40.4
Net-(D40-DOUT): D40.2 D41.4
Net-(D41-DOUT): D41.2 D42.4
Net-(D42-DOUT): D42.2 D43.4
Net-(D43-DOUT): D43.2 D44.4
Net-(D44-DOUT): D44.2 D45.4
Net-(D45-DOUT): D45.2 D46.4
Net-(D46-DOUT): D46.2 D47.4
Net-(D47-DOUT): D47.2 D48.4
Net-(D48-DOUT): D48.2 D49.4
Net-(D49-DOUT): D49.2 D50.4
Net-(D50-DOUT): D50.2 D51.4
Net-(D51-DOUT): D51.2 D52.4
Net-(D52-DOUT): D52.2 D53.4
Net-(D53-DOUT): D53.2 D54.4
Net-(D54-DOUT): D54.2 D55.4
Net-(D55-DOUT): D55.2 D56.4
Net-(D56-DOUT): D56.2 D57.4
Net-(D57-DOUT): D57.2 D58.4
Net-(D58-DOUT): D58.2 D59.4
Net-(D59-DOUT): D59.2 D60.4
Net-(D61-DOUT): D61.2 D62.4
Net-(D62-DOUT): D62.2 D63.4
Net-(D63-DOUT): D63.2 D64.4
Net-(D64-DOUT): D64.2 D65.4
Net-(D65-DOUT): D65.2 D66.4
Net-(D66-DOUT): D66.2 D67.4
Net-(D67-DOUT): D67.2 D68.4
Net-(D68-DOUT): D68.2 D69.4
Net-(D69-DOUT): D69.2 D70.4
Net-(D70-DOUT): D70.2 D71.4
Net-(D71-DOUT): D71.2 D72.4
Net-(D72-DOUT): D72.2 D73.4
Net-(D73-DOUT): D73.2 D74.4
Net-(D74-DOUT): D74.2 D75.4
Net-(D75-DOUT): D75.2 D76.4
Net-(D76-DOUT): D76.2 D77.4
Net-(D77-DOUT): D77.2 D78.4
Net-(D78-DOUT): D78.2 D79.4
Net-(D79-DOUT): D79.2 D80.4
Net-(D80-DOUT): D80.2 D81.4
Net-(D81-DOUT): D81.2 D82.4
Net-(D82-DOUT): D82.2 D83.4
Net-(D83-DOUT): D83.2 D84.4
Net-(D84-DOUT): D84.2 D85.4
Net-(D85-DOUT): D85.2 D86.4
Net-(D86-DOUT): D86.2 D87.4
Net-(D87-DOUT): D87.2 D88.4
Net-(D88-DOUT): D88.2 D89.4
Net-(D89-DOUT): D89.2 D90.4
Net-(D90-DOUT): D90.2 D91.4
Net-(D91-DOUT): D91.2 D92.4
Net-(D92-DOUT): D92.2 D93.4
Net-(D93-DOUT): D93.2 D94.4
Net-(D94-DOUT): D94.2 D95.4
Net-(D95-DOUT): D95.2 D96.4
Net-(D96-DOUT): D96.2 D97.4
Net-(D97-DOUT): D97.2 D98.4
Net-(D98-DOUT): D98.2 D99.4
Net-(D100-DIN): D99.2 D100.4
Net-(D100-DOUT): D100.2 D101.4
Net-(D101-DOUT): D101.2 D102.4
Net-(D102-DOUT): D102.2 D103.4
Net-(D103-DOUT): D103.2 D104.4
Net-(D104-DOUT): D104.2 D105.4
Net-(D105-DOUT): D105.2 D106.4
Net-(D106-DOUT): D106.2 D107.4
Net-(D107-DOUT): D107.2 D108.4
Net-(D108-DOUT): D108.2 D109.4
Net-(D109-DOUT): D109.2 D110.4
Net-(D110-DOUT): D110.2 D111.4
Net-(D111-DOUT): D111.2 D112.4
Net-(D112-DOUT): D112.2 D113.4
Net-(D113-DOUT): D113.2 D114.4
Net-(D114-DOUT): D114.2 D115.4
Net-(D115-DOUT): D115.2 D116.4
Net-(D116-DOUT): D116.2 D117.4
Net-(D117-DOUT): D117.2 D118.4
